# Allegro board parallella_gen1.brd (continued)
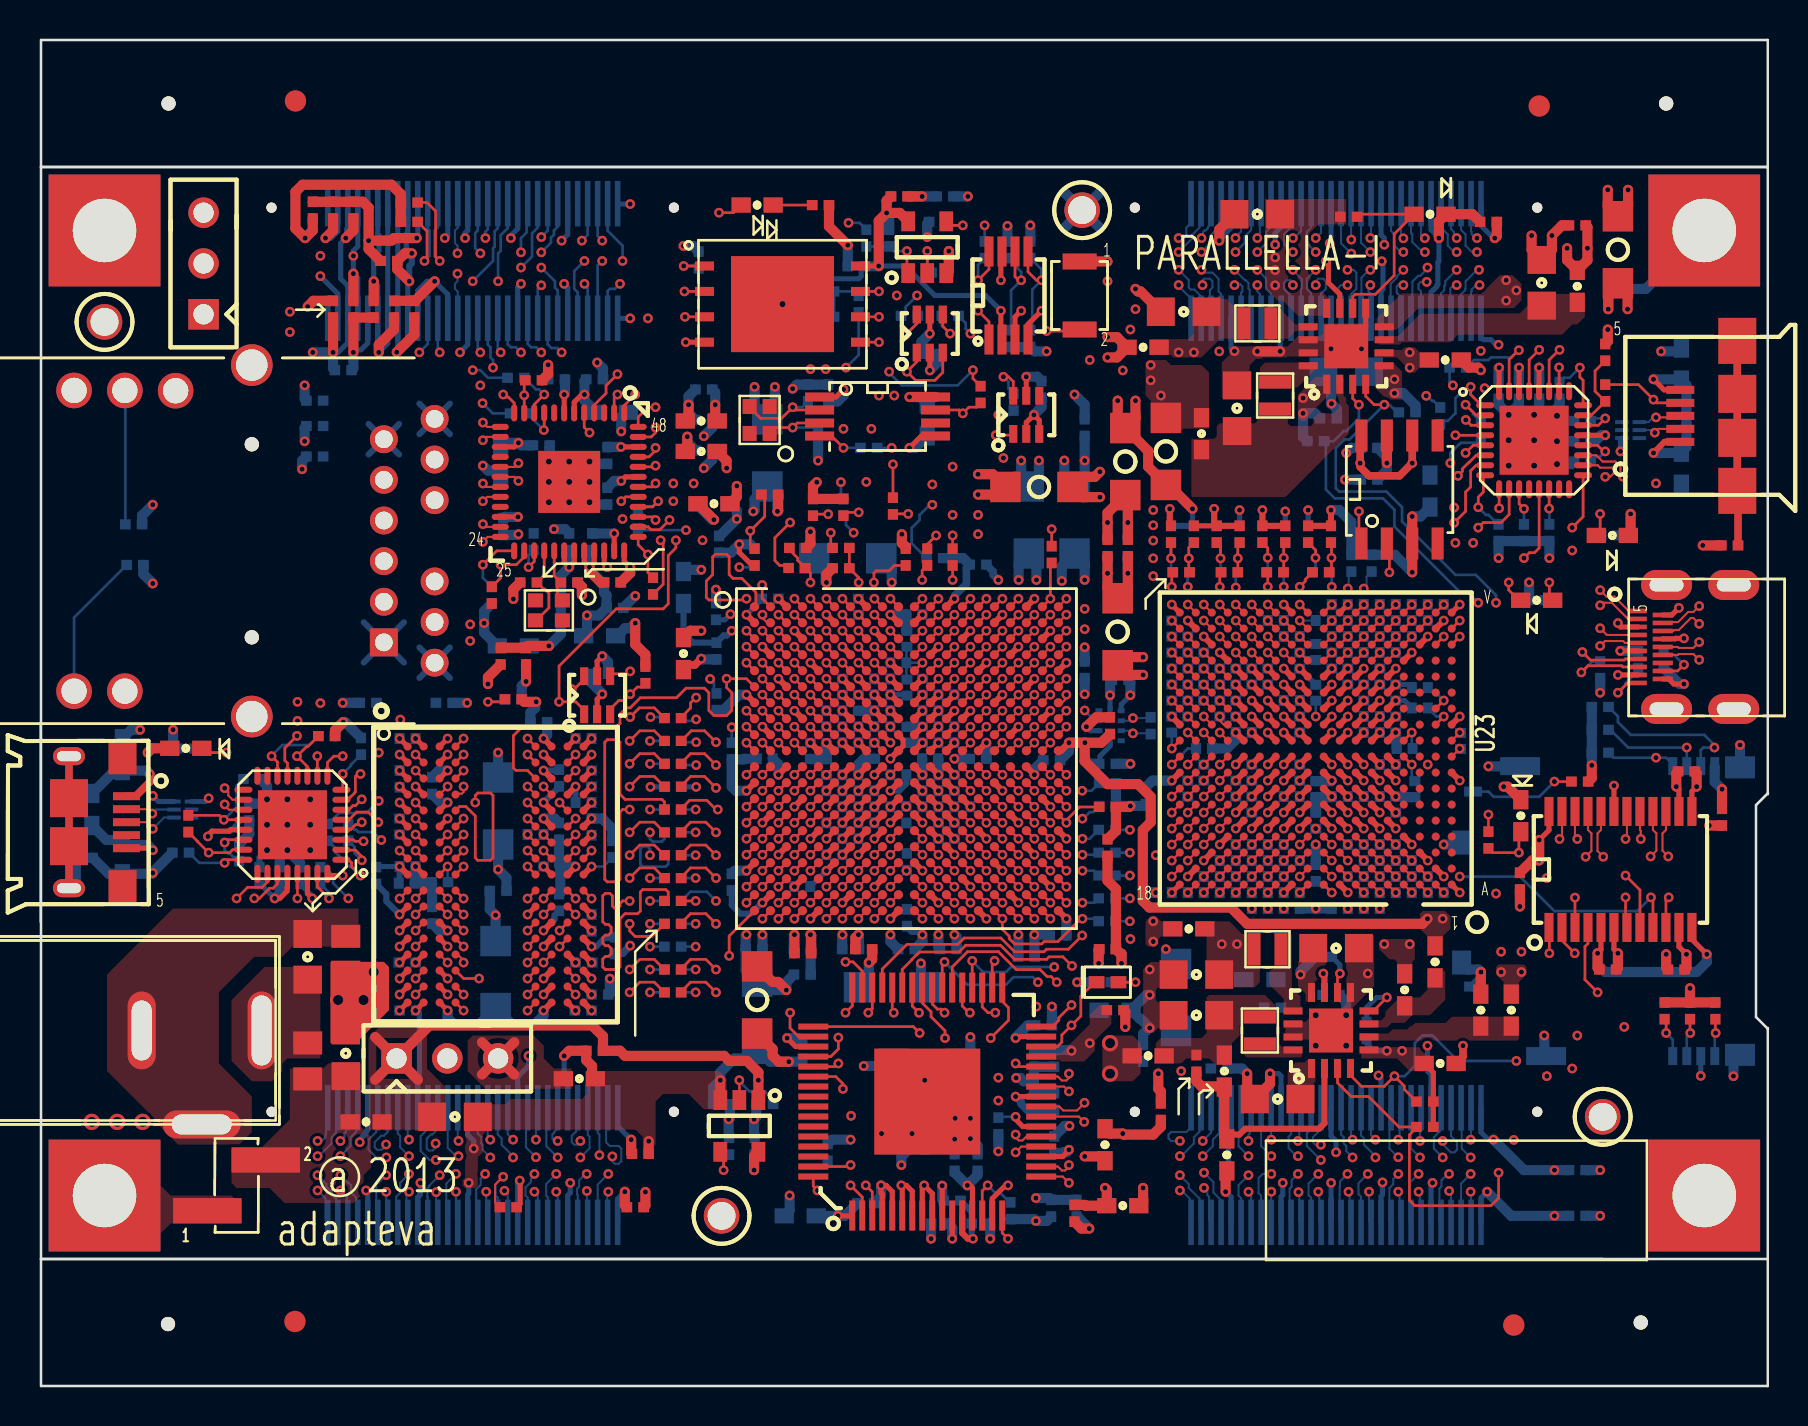
[diagram p0: board, top side]
## Routing (per net, layer and track width the routed paths; a pad name or vN(x,y) marks a point on that pad's centre or on a via; arc(x,y) is an arc through that point) (continued)
  BOTTOM w0.102: v1(69.4,55.93) 69.4,55.88 69.03,55.52 68.93,55.52 68.64,55.23 68.64,53.46 J9.15
RXI_SO_DATA5_N: length 24.5
  TOP w0.102: U23.U6 v1(67.01,38.28)
  L10_SIG w0.095: v1(69.26,57.4) 69.24,57.4 68.58,56.74 68.58,53.98 68.96,53.59 68.96,50.67 68.25,49.96 68.25,47.15 67.88,46.78 67.88,42.6 68.19,42.3 68.84,42.3 68.94,42.2 68.94,41.82 68.84,41.72 68.15,41.72 67.88,41.45 67.88,40.24 67.69,40.06 67.69,39.52 67.4,39.22 67.4,38.67 v1(67.01,38.28)
  BOTTOM w0.102: J9.14 69.07,57.47 69.14,57.4 69.26,57.4 v1(69.26,57.4)
RXI_SO_DATA5_P: length 24.8
  TOP w0.102: U23.U5 v1(67.81,38.28)
  L10_SIG w0.095: v1(69.27,56.71) 69.01,56.71 68.89,56.58 68.89,54.1 69.27,53.72 69.27,50.55 68.56,49.84 68.56,47.03 68.19,46.66 68.19,42.73 68.31,42.6 68.97,42.6 69.24,42.33 69.24,41.69 68.97,41.42 68.28,41.42 68.19,41.32 68.19,40.07 68,39.88 68,39.57 68.2,39.37 68.2,38.4 68.07,38.28 v1(67.81,38.28)
  BOTTOM w0.102: v1(69.27,56.71) 69.14,56.71 68.63,57.21 68.63,57.59 68.57,57.65 J9.16
RXI_SO_DATA6_N: length 26.7
  TOP w0.102: U23.T7 v1(66.21,37.48)
  L8_SIG w0.095: v1(68.19,55.05) 68.19,55.24 68.32,55.37 68.51,55.37 68.64,55.24 68.64,54.64 68.27,54.28 65.46,54.28 65.15,53.97 65.15,51.31 65.46,51 66.35,51 66.47,50.88 66.47,43.36 66.04,42.93 66.04,40.35 65.8,40.11 65.8,37.18 65.92,37.06 66.09,37.06 66.21,37.18 v1(66.21,37.48)
  BOTTOM w0.102: J9.17 68.07,54.46 67.92,54.62 67.86,54.68 67.86,54.99 67.99,55.12 68.13,55.12 v1(68.19,55.05)
RXI_SO_DATA6_P: length 26.7
  TOP w0.102: U23.T6 v1(67.01,37.48)
  L8_SIG w0.095: v1(68.19,55.82) 68.33,55.68 68.64,55.68 68.94,55.37 68.94,54.52 68.4,53.98 65.59,53.98 65.46,53.85 65.46,51.43 65.59,51.31 66.47,51.31 66.78,51 66.78,43.23 66.35,42.8 66.35,40.38 66.6,40.13 66.6,39.87 66.6,39.87 66.6,37.88 v1(67.01,37.48)
  BOTTOM w0.102: v1(68.19,55.82) 67.86,55.49 67.86,55.42 67.55,55.12 67.55,54.48 67.57,54.46 J9.19
RXI_SO_DATA7_N: length 24.3
  TOP w0.102: U23.R8 v1(65.41,36.68)
  L10_SIG w0.095: v1(68.19,57.39) 67.8,57 67.8,56.75 67.56,56.51 67.56,56.17 67.49,56.1 67.49,54.9 66.66,54.08 66.66,51.09 66.42,50.85 66.42,41.26 66.04,40.88 66.04,40.39 65.82,40.16 65.82,36.99 65.51,36.68 v1(65.41,36.68)
  BOTTOM w0.102: J9.18 68.07,57.51 v1(68.19,57.39)
RXI_SO_DATA7_P: length 24.4
  TOP w0.102: U23.R7 v1(66.21,36.68)
  L10_SIG w0.095: v1(66.21,36.68) 66.6,37.07 66.6,40.18 66.35,40.44 66.35,40.75 66.73,41.14 66.73,50.72 66.97,50.97 66.97,53.95 67.8,54.78 67.8,55.98 67.87,56.05 67.87,56.38 v1(68.19,56.71)
  BOTTOM w0.102: v1(68.19,56.71) 68.06,56.71 67.74,57.02 67.74,57.59 67.69,57.64 67.57,57.76 J9.20
RXI_SO_FRAME_N: length 25.5
  TOP w0.102: U23.U8 v1(65.41,38.28)
  L3_SIG w0.095: v1(65.41,38.28) 65.02,38.67 65.02,39.49 v1(65.41,39.88) 65.75,40.22 65.75,40.55 65.27,41.02 65.27,43.93 64.57,44.63 64.57,47.01 65.2,47.65 65.2,50.04 65.48,50.31 66.02,50.31 66.14,50.44 66.14,50.76 66.02,50.88 65.48,50.88 65.2,51.16 65.2,52.25 65.79,52.83 65.79,56.05 66.04,56.3 66.04,56.91 v1(66.54,57.4)
  BOTTOM w0.102: v1(66.54,57.4) 66.57,57.44 J9.24 ; v1(65.41,39.88) 65.46,39.93 65.46,40.6 R247.2
RXI_SO_FRAME_P: length 25.6
  TOP w0.102: U23.U7 v1(66.21,38.28)
  L3_SIG w0.095: v1(66.54,56.71) 66.35,56.52 66.35,56.18 66.09,55.92 66.09,52.71 65.51,52.12 65.51,51.28 65.6,51.19 66.14,51.19 66.45,50.88 66.45,50.31 66.14,50.01 65.6,50.01 65.51,49.91 65.51,47.52 64.87,46.89 64.87,44.75 65.58,44.05 65.58,41.15 66.21,40.52 v1(66.21,39.88) 65.8,39.47 65.8,38.69 v1(66.21,38.28)
  BOTTOM w0.102: v1(66.21,39.88) 66.35,40.02 66.35,40.47 R246.2 ; v1(66.54,56.71) 66.07,57.17 J9.26
RXI_SO_LCLK_N: length 25
  TOP w0.102: U23.V7 v1(66.21,39.08)
  L3_SIG w0.095: v1(66.54,55.05) 66.66,55.18 66.92,55.18 67.05,55.05 67.05,54.26 67.32,53.99 68.74,53.99 68.84,53.89 68.84,53.51 68.74,53.42 67.32,53.42 67.05,53.14 67.05,49.97 66.48,49.41 66.48,48.37 66.76,48.1 66.99,48.1 67.08,48 67.08,47.62 66.99,47.53 66.76,47.53 66.48,47.25 66.48,45.4 66.76,45.13 66.96,45.13 67.06,45.03 67.06,44.65 66.96,44.56 66.76,44.56 66.48,44.28 66.48,40.73 66.68,40.53 66.68,39.3 66.62,39.24 66.62,38.79 66.49,38.66 66.33,38.66 66.21,38.79 v1(66.21,39.08)
  BOTTOM w0.102: J9.23 66.57,54.61 66.45,54.74 66.45,54.96 v1(66.54,55.05)
RXI_SO_LCLK_P: length 25.3
  TOP w0.102: U23.V6 v1(67.01,39.08)
  L3_SIG w0.095: v1(66.54,55.82) 66.87,55.49 67.05,55.49 67.35,55.18 67.35,54.39 67.45,54.29 68.87,54.29 69.14,54.02 69.14,53.38 68.87,53.11 67.45,53.11 67.35,53.02 67.35,49.85 66.79,49.29 66.79,48.5 66.88,48.4 67.11,48.4 67.39,48.13 67.39,47.49 67.11,47.22 66.88,47.22 66.79,47.13 66.79,45.53 66.88,45.43 67.09,45.43 67.36,45.16 67.36,44.52 67.09,44.25 66.88,44.25 66.79,44.16 66.79,40.85 66.98,40.66 66.98,39.1 v1(67.01,39.08)
  BOTTOM w0.102: v1(66.54,55.82) 66.49,55.82 66.09,55.42 66.09,54.66 66.07,54.64 J9.25
RXO_EA_RD_WAIT: length 7.3
  TOP w0.133: U2.J15 v1(47.34,32.97)
  L8_SIG w0.108: v1(52.25,33.78) 51.84,33.37 49.58,33.37 49.34,33.13 49.34,32.81 49.1,32.57 47.74,32.57 47.35,32.97 v1(47.34,32.97)
  BOTTOM w0.133: U38.8 52.91,33.32 52.71,33.32 v1(52.25,33.78)
RXO_EA_RD_WAIT_N: length 5.9
  TOP w0.102: U23.J17 v1(57.41,31.08)
  L3_SIG w0.095: v1(57.41,31.08) 57.41,31.8 57.25,31.96 57.08,31.96 56.7,32.33 55.55,32.33 55.3,32.59 55.04,32.59 54.99,32.64 v1(54.66,32.64)
  BOTTOM w0.102: R193.2 55.51,32.64 v1(54.66,32.64) 54.53,32.77 U38.3
RXO_EA_RD_WAIT_P: length 5.9
  TOP w0.102: U23.K17 v1(57.41,32.68)
  L3_SIG w0.095: v1(57.41,32.68) 57.58,32.5 57.58,32.38 57.46,32.26 57.21,32.26 56.83,32.64 55.68,32.64 55.43,32.89 55.17,32.89 v1(54.66,33.4)
  BOTTOM w0.102: R193.1 55.51,33.4 v1(54.66,33.4) 54.53,33.27 U38.2
RXO_EA_WR_WAIT_N: length 12.4
  TOP w0.102: U23.K16 v1(58.21,32.68) ; U2.H18 v1(49.74,33.77)
  L10_SIG w0.095: v1(58.21,32.68) 58.37,32.51 58.47,32.51 58.62,32.65 58.62,32.95 58.48,33.09 56.26,33.09 56.14,33.21 56.14,33.43 56,33.56 55.14,33.56 54.91,33.79 53.01,33.79 52.63,34.17 50.32,34.17 50.14,34 50.14,33.51 50.03,33.39 49.86,33.39 49.74,33.51 v1(49.74,33.77)
RXO_EA_WR_WAIT_P: length 12.5
  TOP w0.102: U2.J18 v1(49.74,32.97) ; U23.L16 v1(58.21,33.48)
  L10_SIG w0.095: v1(49.74,32.97) 49.34,33.36 49.34,33.93 49.57,34.16 49.88,34.16 50.14,34.43 50.14,34.73 50.39,34.98 51.5,34.98 51.5,34.99 52.53,34.99 52.8,34.72 52.8,34.43 53.14,34.1 55.04,34.1 55.27,33.87 57.82,33.87 v1(58.21,33.48)
RXO_NO_RD_WAIT_N: length 23
  TOP w0.102: U23.B9 v1(64.61,25.48)
  L3_SIG w0.095: v1(65.45,9.71) 65.58,9.71 65.84,9.97 65.84,10.64 66.34,11.14 66.34,12.75 66.02,13.08 65.08,13.08 64.87,13.28 64.87,14.79 64.6,15.07 63.95,15.07 63.86,15.16 63.86,15.92 63.95,16.02 64.6,16.02 64.87,16.29 64.87,19.18 65.76,20.07 65.76,21.08 65.25,21.59 64.82,21.59 64.7,21.72 64.7,24.03 63.96,24.77 63.96,25.2 64.24,25.48 v1(64.61,25.48)
  BOTTOM w0.102: J8.27 65.5,8.26 65.5,9.66 v1(65.45,9.71)
RXO_NO_RD_WAIT_P: length 22.9
  TOP w0.102: U23.B10 v1(63.01,25.48)
  L3_SIG w0.095: v1(65.39,10.6) 65.39,10.62 66.04,11.27 66.04,12.63 65.89,12.78 64.95,12.78 64.57,13.16 64.57,14.67 64.47,14.76 63.83,14.76 63.55,15.04 63.55,16.05 63.83,16.32 64.47,16.32 64.57,16.42 64.57,19.3 65.46,20.19 65.46,20.95 65.13,21.29 64.7,21.29 64.39,21.59 64.39,23.9 63.65,24.64 63.65,25.21 63.39,25.48 v1(63.01,25.48)
  BOTTOM w0.102: v1(65.39,10.6) 65.02,10.23 65.02,9.98 65,9.96 65,9.58 65,9.58 65,8.26 J8.29
RXO_NO_WR_WAIT_N: length 22.2
  TOP w0.102: U23.C8 v1(65.41,26.28)
  L5_SIG w0.095: v1(65.41,26.28) 65.41,26.55 65.29,26.67 65.12,26.67 65,26.55 65,24.38 64.87,24.26 64.63,24.26 64.5,24.13 64.5,21.71 64.62,21.59 65.58,21.59 65.89,21.28 65.89,19.94 65.58,19.63 64.95,19.63 64.82,19.51 64.82,16.69 65,16.51 65.46,16.51 65.76,16.2 65.76,15.37 65.46,15.06 64.77,15.06 64.7,14.99 64.7,12.69 64.81,12.57 65.07,12.57 65.33,12.83 65.52,12.83 65.65,12.7 v1(65.65,12.32)
  BOTTOM w0.102: J8.28 65.57,13.91 65.57,12.46 65.65,12.38 v1(65.65,12.32)
RXO_NO_WR_WAIT_P: length 22.6
  TOP w0.102: U23.C9 v1(64.61,26.28)
  L5_SIG w0.095: v1(64.61,26.28) 64.2,25.87 64.2,21.58 64.49,21.28 65.46,21.28 65.59,21.16 65.59,20.07 65.46,19.94 64.82,19.94 64.52,19.63 64.52,16.56 64.87,16.21 65.33,16.21 65.46,16.08 65.46,15.49 65.33,15.37 64.65,15.37 64.39,15.11 64.39,12.56 64.69,12.27 65.15,12.27 65.33,12.08 65.33,11.75 v1(65.65,11.43)
  BOTTOM w0.102: J8.30 65.07,12.58 65.2,12.45 65.2,12.13 65.33,12.01 65.33,11.75 v1(65.65,11.43)
RXO_SO_RD_WAIT_N: length 24.7
  TOP w0.102: U23.U10 v1(63.01,38.28)
  L3_SIG w0.095: v1(65.39,55.82) 65.18,55.6 64.75,55.6 64.3,55.15 64.3,53.06 63.55,52.31 63.55,51.19 63.83,50.92 64.14,50.92 64.24,50.82 64.24,50.44 64.14,50.34 63.83,50.34 63.55,50.07 63.55,49.66 63.82,49.39 63.82,42.63 63.06,41.87 63.06,40.87 63.65,40.27 63.65,39.01 63.01,38.37 v1(63.01,38.28)
  BOTTOM w0.102: R234.2 v1(63.01,38.28) ; v1(65.39,55.82) 65.7,55.82 65.84,55.68 65.84,54.87 65.57,54.6 J9.27
RXO_SO_RD_WAIT_P: length 24.2
  TOP w0.102: U23.U9 v1(64.61,38.28)
  L3_SIG w0.095: v1(64.61,38.28) 64.18,37.85 63.68,37.85 63.49,38.04 63.49,38.42 63.96,38.89 63.96,40.4 63.36,41 63.36,41.75 64.12,42.5 64.12,49.52 63.86,49.78 63.86,49.94 63.95,50.04 64.27,50.04 64.54,50.31 64.54,50.95 64.27,51.22 63.95,51.22 63.86,51.32 63.86,52.18 64.6,52.93 64.6,55.03 64.87,55.3 65.27,55.3 65.39,55.17 v1(65.39,55.05)
  BOTTOM w0.102: v1(65.39,55.05) 65.07,55.05 64.95,54.93 64.95,54.74 65.07,54.61 J9.29
RXO_SO_WR_WAIT_N: length 24
  TOP w0.102: U23.T9 v1(64.61,37.48)
  L10_SIG w0.095: v1(65.59,57.33) 65.59,57.2 64.95,56.57 64.95,56.5 64.71,56.26 64.71,56.09 64.7,56.08 64.7,54.67 65.2,54.17 65.2,47.92 64.51,47.22 64.51,44.9 65.2,44.2 65.2,41.44 64.52,40.75 64.52,40.52 64.18,40.18 64.18,37.9 v1(64.61,37.48)
  BOTTOM w0.102: v1(65.59,57.33) 65.57,57.34 J9.28
RXO_SO_WR_WAIT_P: length 24
  TOP w0.102: U23.T8 v1(65.41,37.48)
  L10_SIG w0.095: v1(65.59,56.63) 65.52,56.63 65.27,56.38 65.25,56.38 65.01,56.13 65.01,55.96 65,55.95 65,54.8 65.51,54.29 65.51,47.79 64.81,47.09 64.81,45.02 65.51,44.32 65.51,41.31 64.82,40.63 64.82,40.31 65.02,40.12 65.02,37.87 v1(65.41,37.48)
  BOTTOM w0.102: v1(65.59,56.63) 65.07,57.14 J9.30
SD_CLK: length 59.7
  TOP w0.133: R32.2 44.38,42.09 v1(44.82,42.53) ; R33.1 83.8,17.79 83.81,17.78 v1(83.81,17.65)
  L3_SIG w0.108: v1(69.41,31.08) 69.43,31.08 70.79,29.72 72.19,29.72 73.33,28.58 73.33,25.13 v1(72.82,24.63)
  L8_SIG w0.108: v1(83.81,17.65) 82.36,19.1 77.27,19.1 76,20.37 76,22.15 75.05,23.1 73.9,23.1 72.85,24.16 72.85,24.6 v1(72.82,24.63)
  L10_SIG w0.108: v1(44.82,42.53) 45.22,42.14 45.95,42.14 46.28,42.47 46.28,42.66 46.66,43.04 47.72,43.04 47.93,43.25 50.91,43.25 51.11,43.05 51.11,42.55 52,41.66 54.16,41.66 55.17,40.64 55.17,39.95 56.45,38.67 56.77,38.67 57.01,38.44 57.01,38.11 57.25,37.87 57.57,37.87 57.81,37.64 57.81,37.31 58.05,37.07 58.37,37.07 58.61,36.84 58.61,36.51 58.85,36.27 59.17,36.27 59.4,36.04 59.4,35.71 59.64,35.47 59.97,35.47 60.2,35.24 60.2,34.91 60.44,34.67 60.77,34.67 61,34.44 61,34.11 61.24,33.87 61.57,33.87 61.8,33.64 61.8,33.31 62.04,33.07 62.37,33.07 62.6,32.84 62.6,32.37 62.98,31.99 68.49,31.99 v1(69.41,31.08)
  BOTTOM w0.133: J3.5 83.76,17.61 v1(83.81,17.65)
SD_CMD: length 69.4
  TOP w0.133: U2.C6 v1(39.33,37.77)
  L5_SIG w0.108: v1(54.54,22.35) 53.77,23.11 53.77,26.29 52.53,27.53 52.53,27.53 52.3,27.77 50.38,27.77 50.14,28 50.14,28.33 49.89,28.57 49.57,28.57 49.34,28.8 49.34,29.13 49.09,29.37 48.77,29.37 48.54,29.6 48.54,29.93 48.3,30.17 47.98,30.17 47.74,30.4 47.74,30.73 46.69,31.77 46.37,31.77 46.14,32.01 46.14,32.33 45.9,32.57 45.58,32.57 45.34,32.81 45.34,33.13 45.1,33.37 44.78,33.37 44.54,33.61 44.54,33.93 44.3,34.17 43.98,34.17 43.74,34.41 43.74,34.67 43.23,35.18 43.23,37.21 43.07,37.37 39.97,37.37 39.57,37.77 v1(39.33,37.77)
  L8_SIG w0.108: v1(75.36,25.4) 77.78,25.4 79.17,26.8 80.19,26.8 82.35,28.96 82.35,30.53 v1(83.75,31.93)
  L10_SIG w0.108: v1(75.36,25.4) 75.36,25.02 75.05,24.7 73.76,24.7 73.1,24.04 72.35,24.04 70.79,22.48 68.71,22.48 68.58,22.61 66.22,22.61 65.97,22.35 60.25,22.35 59.87,22.73 54.92,22.73 v1(54.54,22.35)
  BOTTOM w0.133: R39.1 78.92,33.49 78.92,33.2 79.56,32.56 83.24,32.56 83.75,32.05 v1(83.75,31.93) 83.19,31.93 83.06,31.8 J3.3
SD_DAT0: length 75.3
  TOP w0.133: v1(82.54,17.65) 82.54,17.72 82.53,17.73 R37.1 ; U2.E9 v1(41.73,36.17)
  L5_SIG w0.108: v1(75.36,15.49) 75.87,14.99 75.87,11.81 75.24,11.18 75.24,9.78 74.12,8.66 54.51,8.66 53.9,9.27 53.9,10.16 52.95,11.11 52.95,17.72 53.39,18.16 53.39,25.96 52.39,26.97 50.38,26.97 50.13,27.21 50.13,27.53 49.89,27.77 49.57,27.77 49.33,28.01 49.33,28.33 49.09,28.57 47.17,28.57 46.94,28.8 46.94,29.13 46.7,29.37 46.37,29.37 46.14,29.6 46.14,29.93 45.9,30.17 45.57,30.17 45.34,30.4 45.34,30.79 44.88,31.24 44.88,31.5 44.53,31.85 44.53,32.33 44.3,32.57 43.81,32.57 42.93,33.45 42.93,33.93 42.7,34.17 42.34,34.17 42.14,34.37 42.14,34.41 42.14,35.77 v1(41.73,36.17)
  L8_SIG w0.108: v1(75.36,15.49) 77,17.13 77.05,17.13 77.29,17.36 77.29,17.42 77.32,17.45 79.49,17.45 79.87,17.83 79.87,18.08 80.25,18.47 81.73,18.47 v1(82.54,17.65)
  BOTTOM w0.133: v1(82.54,17.65) 82.36,17.48 J3.7
SD_DAT1: length 74.9
  TOP w0.133: U2.E8 v1(40.93,36.17) ; v1(81.33,17.65) 81.33,18.26 R36.1
  L5_SIG w0.108: v1(40.93,36.17) 41.34,35.77 41.34,33.61 41.57,33.37 42.69,33.37 42.93,33.13 42.93,32.81 43.74,32 43.74,31.62 44.54,30.83 44.54,30.4 44.77,30.17 45.1,30.17 45.34,29.93 45.34,29.6 45.57,29.37 45.9,29.37 46.14,29.13 46.14,28.8 46.37,28.57 46.7,28.57 46.93,28.34 46.93,28.01 47.17,27.77 49.09,27.77 49.33,27.53 49.33,27.21 49.57,26.97 49.89,26.97 50.13,26.73 50.13,26.41 50.38,26.17 52.37,26.17 53.01,25.53 53.01,22.23 52.5,21.72 52.5,20.83 52.89,20.45 52.89,19.3 52.63,19.05 52.63,17.91 52,17.27 52,16.26 52.65,15.6 52.65,9.89 54.18,8.36 74.45,8.36 76.25,10.16 76.25,15.49 v1(76.63,15.88)
  L8_SIG w0.108: v1(76.63,15.88) 77.76,17.01 80.69,17.01 v1(81.33,17.65)
  BOTTOM w0.133: v1(81.33,17.65) 81.66,17.32 J3.8
SD_DAT2: length 50.4
  TOP w0.133: U2.C5 v1(38.53,37.77)
  L8_SIG w0.108: v1(52.25,37.85) 52.69,37.41 55.04,37.41 56.18,36.27 59.97,36.27 60.2,36.04 60.2,35.72 60.44,35.48 75.82,35.48 77.65,33.66 78.59,33.66 v1(80.83,31.42)
  L10_SIG w0.108: v1(38.53,37.77) 38.94,38.17 42.87,38.17 43.67,38.97 47.49,38.97 47.74,38.73 47.74,38.41 47.98,38.17 51.93,38.17 v1(52.25,37.85)
  BOTTOM w0.133: J3.1 81.66,31.09 81.33,31.42 v1(80.83,31.42) 78.7,31.42 R35.1
SD_DAT3: length 54.7
  TOP w0.133: U2.C8 v1(40.93,37.77)
  L3_SIG w0.108: v1(52.25,38.86) 52,38.61 52,38.48 51.68,38.17 48.77,38.17 48.54,37.93 48.54,37.61 48.3,37.37 47.98,37.37 47.74,37.13 47.74,36.81 47.5,36.57 47.18,36.57 46.94,36.33 46.94,35.21 46.7,34.97 46.37,34.97 46.37,34.98 45.9,34.98 45.9,34.97 44.77,34.97 44.54,35.21 44.54,35.53 44.3,35.77 43.71,35.77 42.91,36.57 41.57,36.57 41.34,36.81 41.34,37.37 v1(40.93,37.77)
  L8_SIG w0.108: v1(82.36,31.93) 81.21,31.93 79.1,34.04 77.78,34.04 75.53,36.28 60.44,36.28 60.2,36.52 60.2,36.84 59.97,37.07 56.31,37.07 55.54,37.85 53.27,37.85 v1(52.25,38.86)
  BOTTOM w0.133: R34.1 78.54,32.82 79.43,31.93 v1(82.36,31.93) J3.2
SD_DETECT: length 93.4
  TOP w0.133: R38.1 v1(75.75,30.23) ; U2.E6 v1(39.33,36.17)
  L5_SIG w0.108: v1(75.75,30.23) 76.25,29.72 76.25,28.58 77.78,27.05 77.78,25.4 77.4,25.02 77.4,19.43 76.38,18.41 76.38,16.89 77.14,16.13 77.14,13.96 77.02,13.83 77.02,8.89 76.18,8.05 53.83,8.05 52.38,9.51 51.43,9.51 50.41,10.53 50.41,13.4 50.98,13.97 50.98,16.94 51.49,17.45 51.81,17.45 52.06,17.7 52.06,19.05 52.38,19.37 52.38,20.45 52.12,20.7 52.12,21.84 52.63,22.35 52.63,24.31 51.57,25.37 49.57,25.37 49.34,25.6 49.34,26.73 49.1,26.97 47.18,26.97 46.94,27.2 46.94,27.53 46.7,27.77 46.38,27.77 46.14,28 46.14,28.33 45.9,28.57 45.58,28.57 45.34,28.8 45.34,29.13 45.1,29.37 44.78,29.37 44.54,29.6 44.54,29.93 44.3,30.17 43.98,30.17 43.3,30.85 43.3,31.99 42.72,32.57 41.58,32.57 41.34,32.81 41.34,33.13 40.3,34.17 39.98,34.17 39.74,34.41 39.74,35.71 39.53,35.92 39.53,35.98 v1(39.33,36.17)
  BOTTOM w0.133: v1(75.75,30.23) 74.98,29.46 72.7,29.46 72.44,29.72 J3.10
SPDIF: length 119.1
  TOP w0.133: U26.3 41.63,9.71 v1(41.3,10.03)
  L3_SIG w0.108: v1(41.3,10.03) 40.29,9.02 36.88,9.02 36.35,9.55 33.23,9.55 32.18,8.51 14.49,8.51 13.47,9.53 8.82,9.53 5.77,12.57 5.77,14.1 3.61,16.26 3.61,21.08 5.39,22.86 6.53,22.86 10.21,26.54 10.21,30.86 11.99,32.64 11.99,34.92 15.67,38.61 15.67,47.24 17.83,49.4 20.37,49.4 21.14,48.64 22.28,48.64 22.66,49.02 v1(22.66,50.93)
  L8_SIG w0.108: v1(41.3,10.03) 41.81,10.54 49.02,10.54 51.09,12.61 51.09,13.17 51.11,13.19 51.11,13.26 51.56,13.72 52.48,13.72 54.73,15.96 54.73,18.34 54.16,18.91 54.16,20.45 54.58,20.87 54.58,21.41 55.04,21.87 55.04,22.71 v1(54.51,23.24)
  BOTTOM w0.133: v1(22.66,50.93) 22.66,51.31 22.53,51.43 22.53,51.94 22.39,52.08 J13.27 ; R82.2 v1(54.51,23.24)
SYS_5P0V: length 22.9
  TOP w0.254: v1(82.35,21.59) 81.97,21.97 U37.11 ; U12.21 v1(78.29,47.54) ; R276.2 R280.2 69.69,15.67 C254.1
  TOP w0.508: 67.36,47.53 v1(67.36,46.15) ; v1(82.35,21.59) 82.35,20.92 C258.1
  L10_SIG w0.508: J14.2 21.07,17.08 ; J14.2 19.67,15.68 ; J14.2 19.67,17.08 ; J14.2 21.07,15.68
  BOTTOM w0.254: J13.1 28.9,53.39 v1(29.52,53.39) ; J13.2 28.91,59.11 v1(29.52,59.11) ; v1(67.36,16.76) 66.73,16.76 66.35,17.14 R283.2
  BOTTOM w0.508: R284.1 63.17,47.46 v1(63.17,48.64) 63.77,48.64 C274.1 ; v1(78.29,47.54) 78.08,47.54 77.78,47.24 C59.1 ; v1(67.74,49.64) 68.19,49.64 68.8,49.03 R285.1 ; C279.1 67.36,46.44 v1(67.36,46.15) 67.36,45.8 C52.1 ; v1(63.05,20.57) 63.05,20.74 R277.2
  vias: v1(61.78,56.44) v1(61.78,55.8) v1(61.78,55.04) v1(62.92,15.54) v1(63.17,49.4) v1(67.74,50.34) v1(68.13,16.76) v1(73.33,55.3) v1(73.33,54.28) v1(73.84,54.79) v2(2.59,13.21) v2(3.86,13.21) v2(5.13,13.21)
TURBO_MODE: length 93.4
  TOP w0.133: v1(34.19,10.79) 34.19,11.54 U36.4 ; U2.R16 v1(48.14,27.37)
  L3_SIG w0.108: v1(48.14,27.37) 47.73,27.77 47.73,28.33 47.5,28.57 47.17,28.57 46.93,28.8 46.93,29.13 46.7,29.37 46.37,29.37 46.13,29.6 46.13,29.93 45.9,30.17 45.57,30.17 45.33,30.4 45.33,30.73 45.1,30.97 44.77,30.97 43.52,32.22 43.52,34.14 42.69,34.97 42.37,34.97 42.13,35.21 42.13,35.53 41.89,35.77 39.97,35.77 39.74,36.01 39.74,37.93 39.98,38.17 40.3,38.17 40.54,38.41 40.54,38.73 40.78,38.97 41.1,38.97 41.34,39.21 41.34,39.55 41.57,39.79 41.87,39.79 42.11,40.02 42.11,41 41.96,41.15 41.96,45.4 40.76,46.61 40.76,47.29 v1(40.19,47.87)
  L5_SIG w0.108: v1(40.19,47.87) 39.61,48.44 39.61,48.69 37.63,50.67 31.6,50.67 30.66,51.61 27.29,51.61 26.71,52.2 23.55,52.2 v1(23.04,51.69)
  L10_SIG w0.108: v1(34.19,10.79) 34.77,10.21 36.63,10.21 39.42,13 41.2,13 42.22,14.02 46.92,14.02 47.3,13.64 48.06,13.64 48.44,14.02 49.33,14.02 50.35,15.04 50.35,16.56 51.11,17.32 51.62,17.32 52.25,17.96 52.25,18.29 54.54,20.57 54.54,21.34 54.03,21.84 54.03,26.97 53.77,27.23 53.72,27.23 53.52,27.43 53.52,27.81 53.14,28.19 53.14,28.5 52.27,29.37 50.37,29.37 50.13,29.13 50.13,28.8 49.9,28.57 49.84,28.57 49.84,28.57 48.77,28.57 48.54,28.33 48.54,27.77 v1(48.14,27.37)
  BOTTOM w0.133: J13.25 22.89,51.84 v1(23.04,51.69) ; R328.2 34.19,11.29 v1(34.19,10.79)
TXI_EA_RD_WAIT_N: length 15.1
  TOP w0.102: U23.G17 v1(57.41,29.48) ; U2.J14 v1(46.54,32.97)
  L3_SIG w0.095: v1(57.41,29.48) 57.7,29.48 57.84,29.61 57.84,29.72 57.67,29.89 56.86,29.89 56.84,29.87 56.39,29.87 56.22,30.05 56.22,30.21 54.74,31.69 54.14,31.69 53.72,32.11 53.72,32.51 53.22,33.02 53.01,33.02 52.57,32.58 46.93,32.58 v1(46.54,32.97)
TXI_EA_RD_WAIT_P: length 15.2
  TOP w0.102: U23.H17 v1(57.41,30.28) ; U2.K14 v1(46.54,32.17)
  L3_SIG w0.095: v1(57.41,30.28) 57.01,30.67 56.19,30.67 54.87,31.99 54.27,31.99 54.03,32.23 54.03,32.64 53.31,33.36 46.34,33.36 46.13,33.15 46.13,32.58 v1(46.54,32.17)
TXI_EA_WR_WAIT_N: length 13.4
  TOP w0.102: U23.H16 v1(58.21,30.28) ; U2.J16 v1(48.14,32.97)
  L5_SIG w0.095: v1(58.21,30.28) 57.82,30.67 55.55,30.67 54.51,31.71 48.04,31.71 47.74,32.01 47.74,32.58 v1(48.14,32.97)
TXI_EA_WR_WAIT_P: length 13.2
  TOP w0.102: U2.K16 v1(48.14,32.17) ; U23.J16 v1(58.21,31.08)
  L5_SIG w0.095: v1(58.21,31.08) 58.21,31.42 58.13,31.5 56.78,31.5 56.77,31.49 56.41,31.49 56.21,31.29 56.21,31.07 56.12,30.97 55.68,30.97 54.63,32.02 53.52,32.02 53.39,32.14 53.39,32.38 53.2,32.58 48.19,32.58 48.06,32.45 48.06,32.25 v1(48.14,32.17)
TXI_NO_RD_WAIT_N: length 24.7
  TOP w0.102: U23.B11 v1(62.21,25.48)
  L5_SIG w0.095: v1(62.21,25.48) 62.26,25.53 62.28,25.53 62.62,25.19 62.62,24.29 v1(62.21,23.88) 62.21,23.83 62.66,23.37 62.66,23.24 62.54,23.11 61.78,23.11 61.65,22.99 61.65,20.23 61.74,20.14 62.16,20.14 62.46,19.83 62.46,19.26 62.16,18.96 61.14,18.96 61.01,18.83 61.01,16.89 61.14,16.76 62.03,16.76 62.41,16.38 62.41,15.11 62.1,14.81 60.38,14.81 60.25,14.68 60.25,14.27 60.38,14.15 62.09,14.15 62.4,13.84 62.4,12.07 62.52,11.94 62.79,11.94 62.92,12.07 v1(62.92,12.26)
  BOTTOM w0.102: v1(62.92,12.26) 62.98,12.32 62.98,13.82 J8.38
TXI_NO_RD_WAIT_P: length 24.9
  TOP w0.102: U23.B12 v1(61.41,25.48)
  L5_SIG w0.095: v1(62.92,11.49) 62.54,11.49 62.09,11.94 62.09,13.72 61.97,13.84 60.25,13.84 59.95,14.15 59.95,14.81 60.25,15.11 61.98,15.11 62.11,15.24 62.11,16.26 61.9,16.46 61.01,16.46 60.71,16.76 60.71,18.96 61.01,19.26 62.03,19.26 62.16,19.39 62.16,19.71 62.03,19.83 61.62,19.83 61.34,20.11 61.34,23.81 v1(61.41,23.88) 61.82,24.29 61.82,25.11 61.44,25.48 v1(61.41,25.48)
  BOTTOM w0.102: J8.40 62.57,12.59 62.45,12.46 62.45,11.9 62.85,11.49 v1(62.92,11.49)
TXI_NO_WR_WAIT_N: length 22.6
  TOP w0.102: U23.C10 v1(63.01,26.28)
  L5_SIG w0.095: v1(63.01,26.28) 62.94,26.34 62.94,26.56 63.07,26.69 63.29,26.69 63.42,26.56 63.42,26.1 63.73,25.78 63.73,24.38 63.42,24.07 63.42,21.57 63.78,21.21 63.78,19.53 63.32,19.08 63.32,18.33 63.05,18.05 62.03,18.05 61.9,17.93 61.9,17.65 62.07,17.48 62.96,17.48 63.32,17.12 63.32,16.26 63.61,15.97 63.61,14.99 63.94,14.66 63.94,13.57 63.61,13.24 63.61,11.8 63.73,11.68 63.93,11.68 64.06,11.81 v1(64.06,12.07)
  BOTTOM w0.102: v1(64.06,12.07) 63.79,12.07 63.67,12.19 63.67,12.44 63.92,12.69 63.92,12.8 64.07,12.96 J8.34
TXI_NO_WR_WAIT_P: length 23.1
  TOP w0.102: U23.C11 v1(62.21,26.28)
  L5_SIG w0.095: v1(62.21,26.28) 62.6,25.89 63.19,25.89 63.43,25.65 63.43,24.51 63.11,24.2 63.11,21.45 63.48,21.08 63.48,19.66 63.02,19.2 63.02,18.45 62.92,18.36 61.9,18.36 61.6,18.05 61.6,17.53 61.95,17.18 62.84,17.18 63.02,16.99 63.02,16.13 63.31,15.84 63.31,14.86 63.64,14.53 63.64,13.7 63.31,13.37 63.31,11.67 63.68,11.3 v1(64.06,11.3)
  BOTTOM w0.102: J8.36 63.57,12.85 63.36,12.64 63.36,12 v1(64.06,11.3)
TXI_SO_RD_WAIT_N: length 24
  TOP w0.102: U23.U12 v1(61.41,38.28)
  L3_SIG w0.095: v1(61.41,38.28) 61.8,38.67 61.8,41.62 62.14,41.96 62.14,42.5 62.67,43.04 62.67,44.24 62.3,44.62 62.3,46.31 62.57,46.58 62.62,46.58 62.71,46.68 62.71,47.06 62.62,47.15 62.57,47.15 62.3,47.43 62.3,49.82 62.64,50.16 62.64,52.45 62.42,52.67 62.42,53.46 63.06,54.1 63.06,56.12 62.93,56.25 62.41,56.25 62.22,56.44 62.22,56.96 v1(62.66,57.4)
  BOTTOM w0.102: J9.38 63.07,57.75 62.73,57.4 v1(62.66,57.4)
TXI_SO_RD_WAIT_P: length 24.2
  TOP w0.102: v1(62.21,38.28) 62.23,38.28 62.61,37.9 U23.U11
  L3_SIG w0.095: v1(62.21,38.28) 62.21,38.4 62.6,38.8 62.6,41.68 62.45,41.83 62.45,42.38 62.98,42.91 62.98,44.36 62.6,44.74 62.6,46.18 62.7,46.28 62.75,46.28 63.02,46.55 63.02,47.18 62.75,47.46 62.7,47.46 62.6,47.55 62.6,49.7 62.94,50.04 62.94,52.58 62.72,52.8 62.72,53.34 63.36,53.98 63.36,56.77 63.24,56.9 62.79,56.9 62.66,56.77 v1(62.66,56.71)
  BOTTOM w0.102: J9.40 62.54,59.09 62.54,57.91 62.22,57.59 62.22,57.09 62.6,56.71 v1(62.66,56.71)
TXI_SO_WR_WAIT_N: length 25.4
  TOP w0.102: U23.T11 v1(62.21,37.48)
  L8_SIG w0.095: v1(63.81,57.4) 63.11,56.71 63.11,54.04 63.81,53.34 63.81,47.73 63.71,47.63 62.94,47.63 62.66,47.36 62.66,46.72 62.94,46.45 63.71,46.45 63.81,46.36 63.81,43.97 63.82,43.96 63.82,43.64 63.81,43.63 63.81,42.52 62.93,41.64 62.93,40.44 62.62,40.13 62.62,40.01 62.6,39.99 62.6,37.87 v1(62.21,37.48)
  BOTTOM w0.102: v1(63.81,57.4) 64.07,57.67 J9.34
TXI_SO_WR_WAIT_P: length 25.7
  TOP w0.102: U23.T10 v1(63.01,37.48)
  L8_SIG w0.095: v1(63.81,56.71) 63.62,56.71 63.41,56.5 63.41,54.16 64.11,53.47 64.11,47.6 63.84,47.33 63.06,47.33 62.97,47.23 62.97,46.85 63.06,46.76 63.84,46.76 64.11,46.48 64.11,44.1 64.12,44.09 64.12,43.51 64.11,43.5 64.11,42.39 63.24,41.52 63.24,40.29 63.43,40.1 63.43,37.6 63.3,37.48 v1(63.01,37.48)
  BOTTOM w0.102: J9.36 63.57,57.93 63.36,57.72 63.36,57.15 v1(63.81,56.71)
TXO_EA_DATA0_N: length 12.8
  TOP w0.102: U23.G15 v1(59.01,29.48) ; U2.J19 v1(50.54,32.97)
  L8_SIG w0.095: v1(50.54,32.97) 50.13,32.56 50.13,31.97 50.35,31.75 53.01,31.75 53.11,31.85 55.65,31.85 56.01,31.49 56.22,31.28 56.22,30.91 56.46,30.67 58.37,30.67 58.39,30.65 58.51,30.53 58.6,30.44 58.6,29.89 v1(59.01,29.48)
TXO_EA_DATA0_P: length 12.7
  TOP w0.102: U23.H15 v1(59.01,30.28) ; U2.K19 v1(50.54,32.17)
  L8_SIG w0.095: v1(59.01,30.28) 59.01,30.03 59.15,29.89 59.33,29.89 59.42,29.97 59.42,31.22 59.15,31.49 56.44,31.49 55.78,32.15 52.99,32.15 52.56,32.58 50.94,32.58 v1(50.54,32.17)
TXO_EA_DATA1_N: length 14.9
  TOP w0.102: U23.F16 v1(58.21,28.68) ; U2.L15 v1(47.34,30.57)
  L8_SIG w0.095: v1(58.21,28.68) 58.21,28.43 58.07,28.29 56.44,28.29 56.22,28.51 56.22,28.8 55.74,29.27 55.74,29.58 54.97,30.35 54.28,30.35 53.65,30.99 48.19,30.99 47.93,31.24 47.12,31.24 47.04,31.17 47.04,30.86 v1(47.34,30.57)
